# Allegro board NewTMR-March-2-2026 - Copy.brd
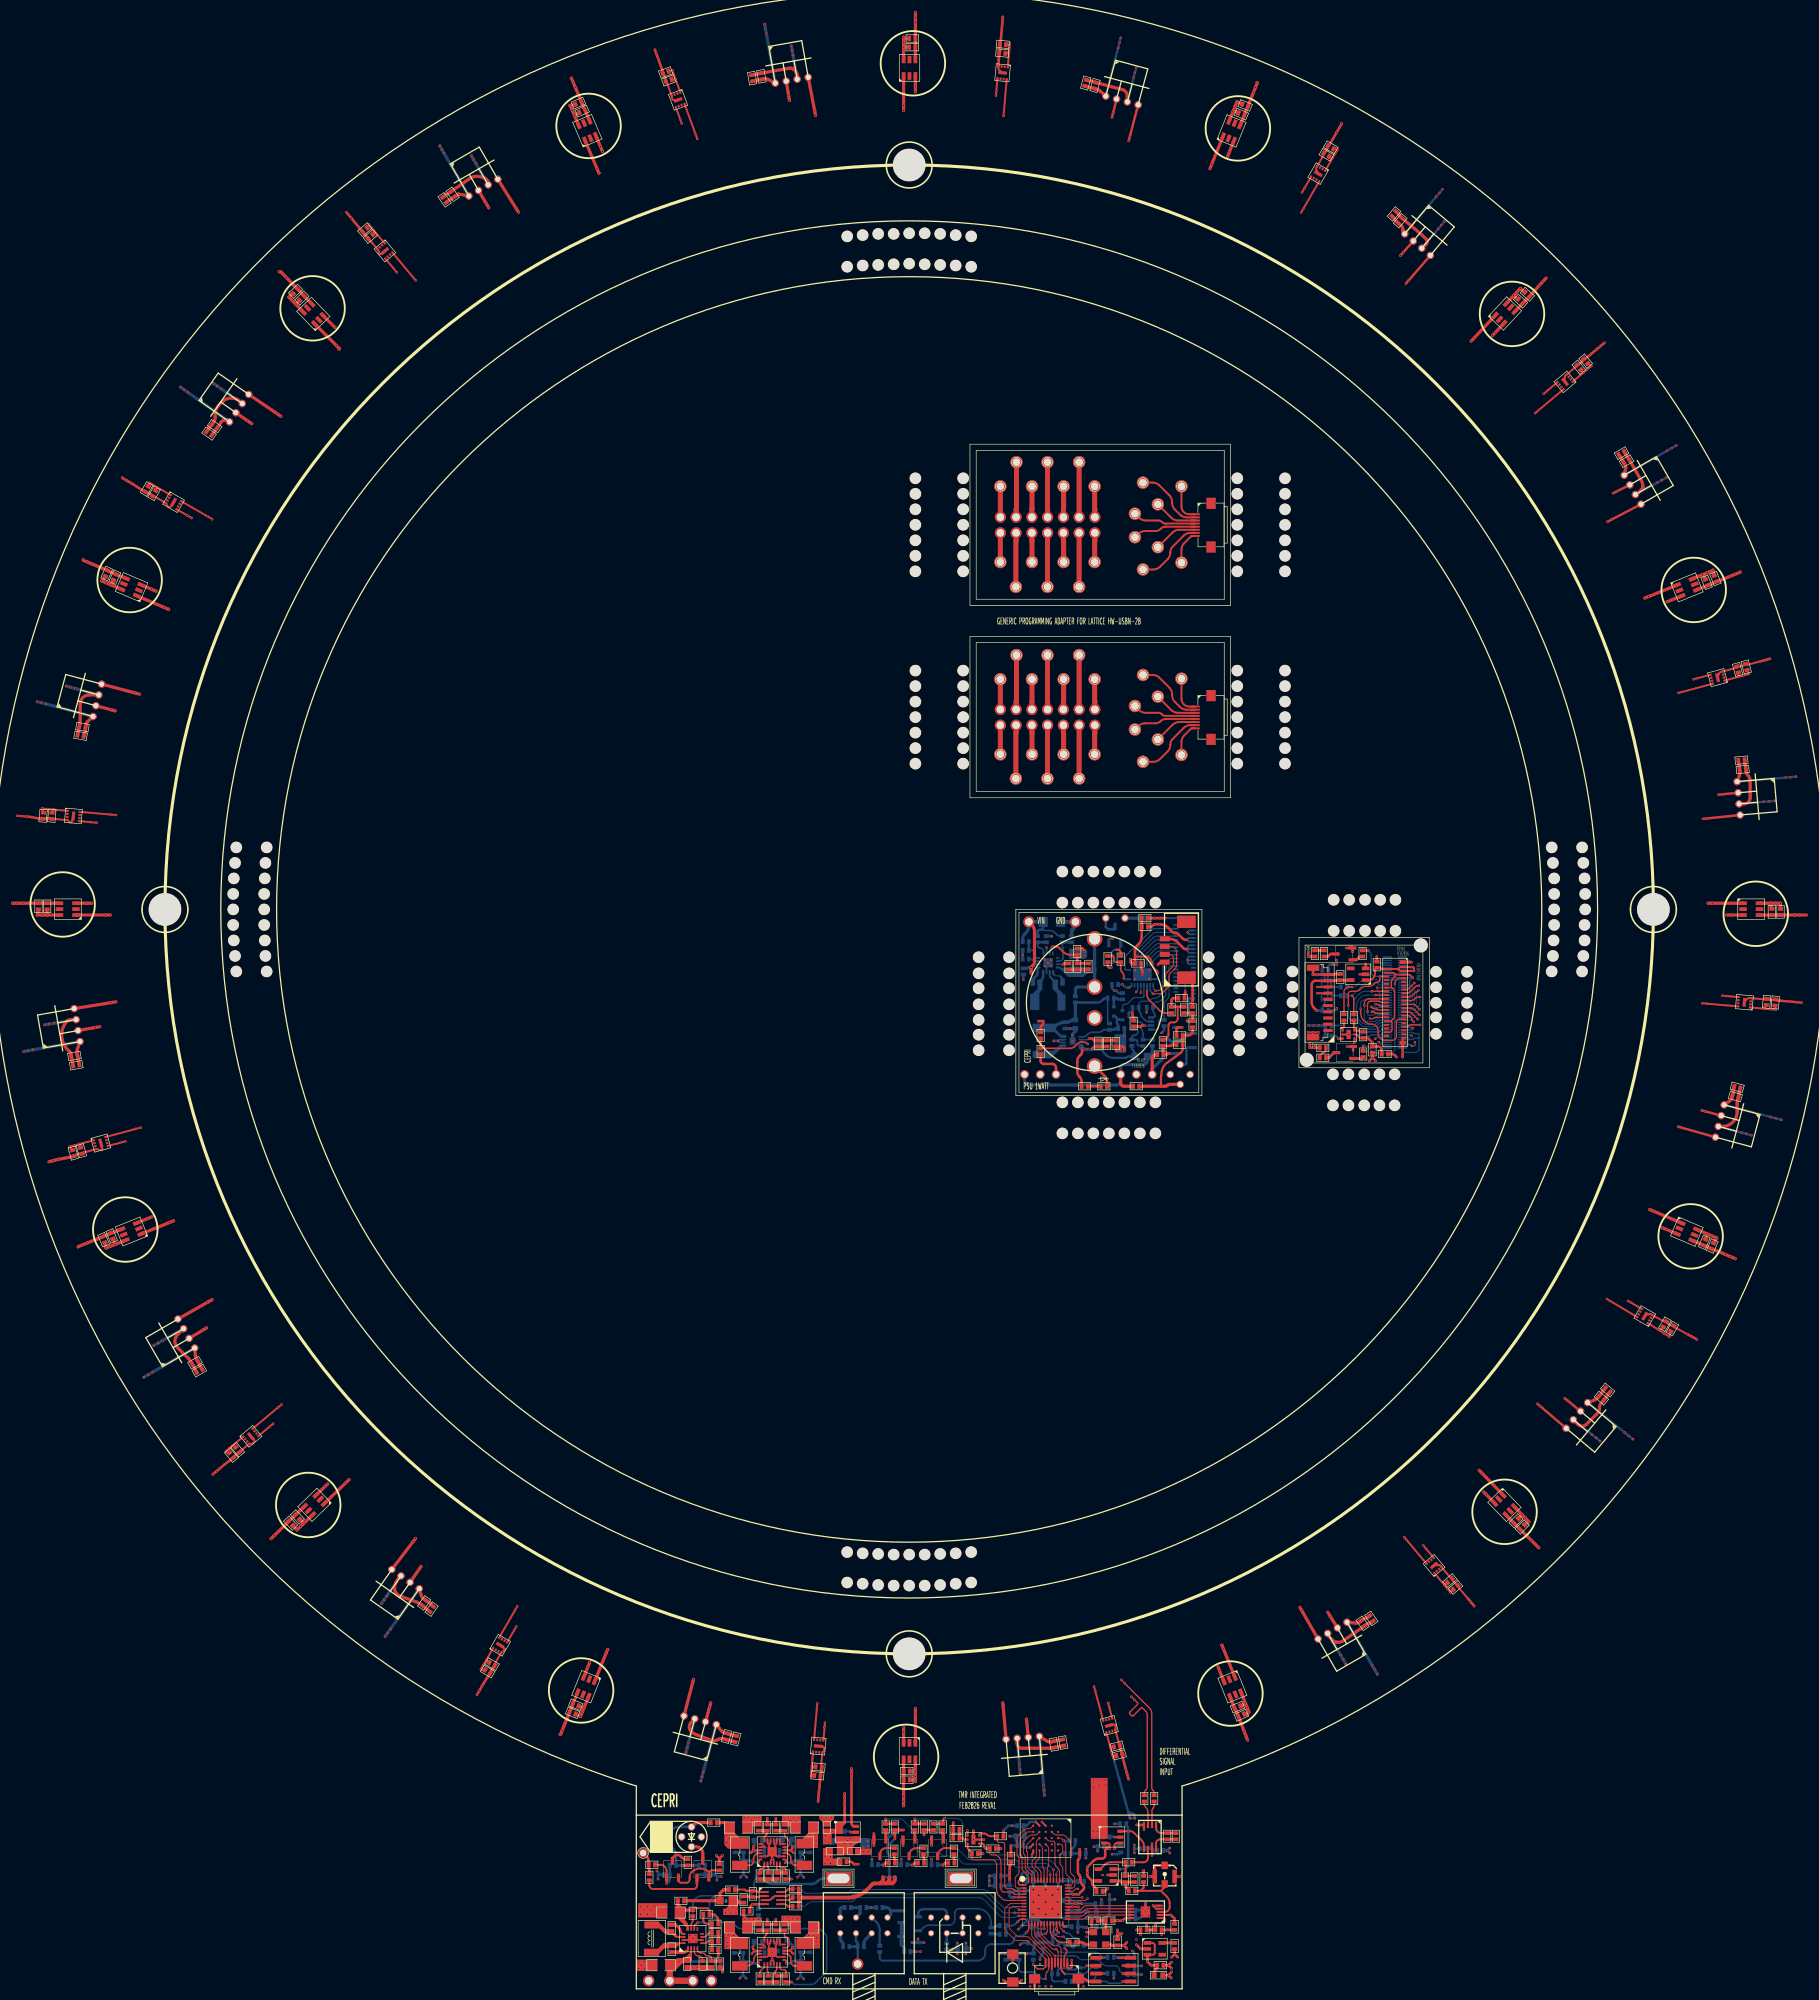
[diagram p0: board, top side]
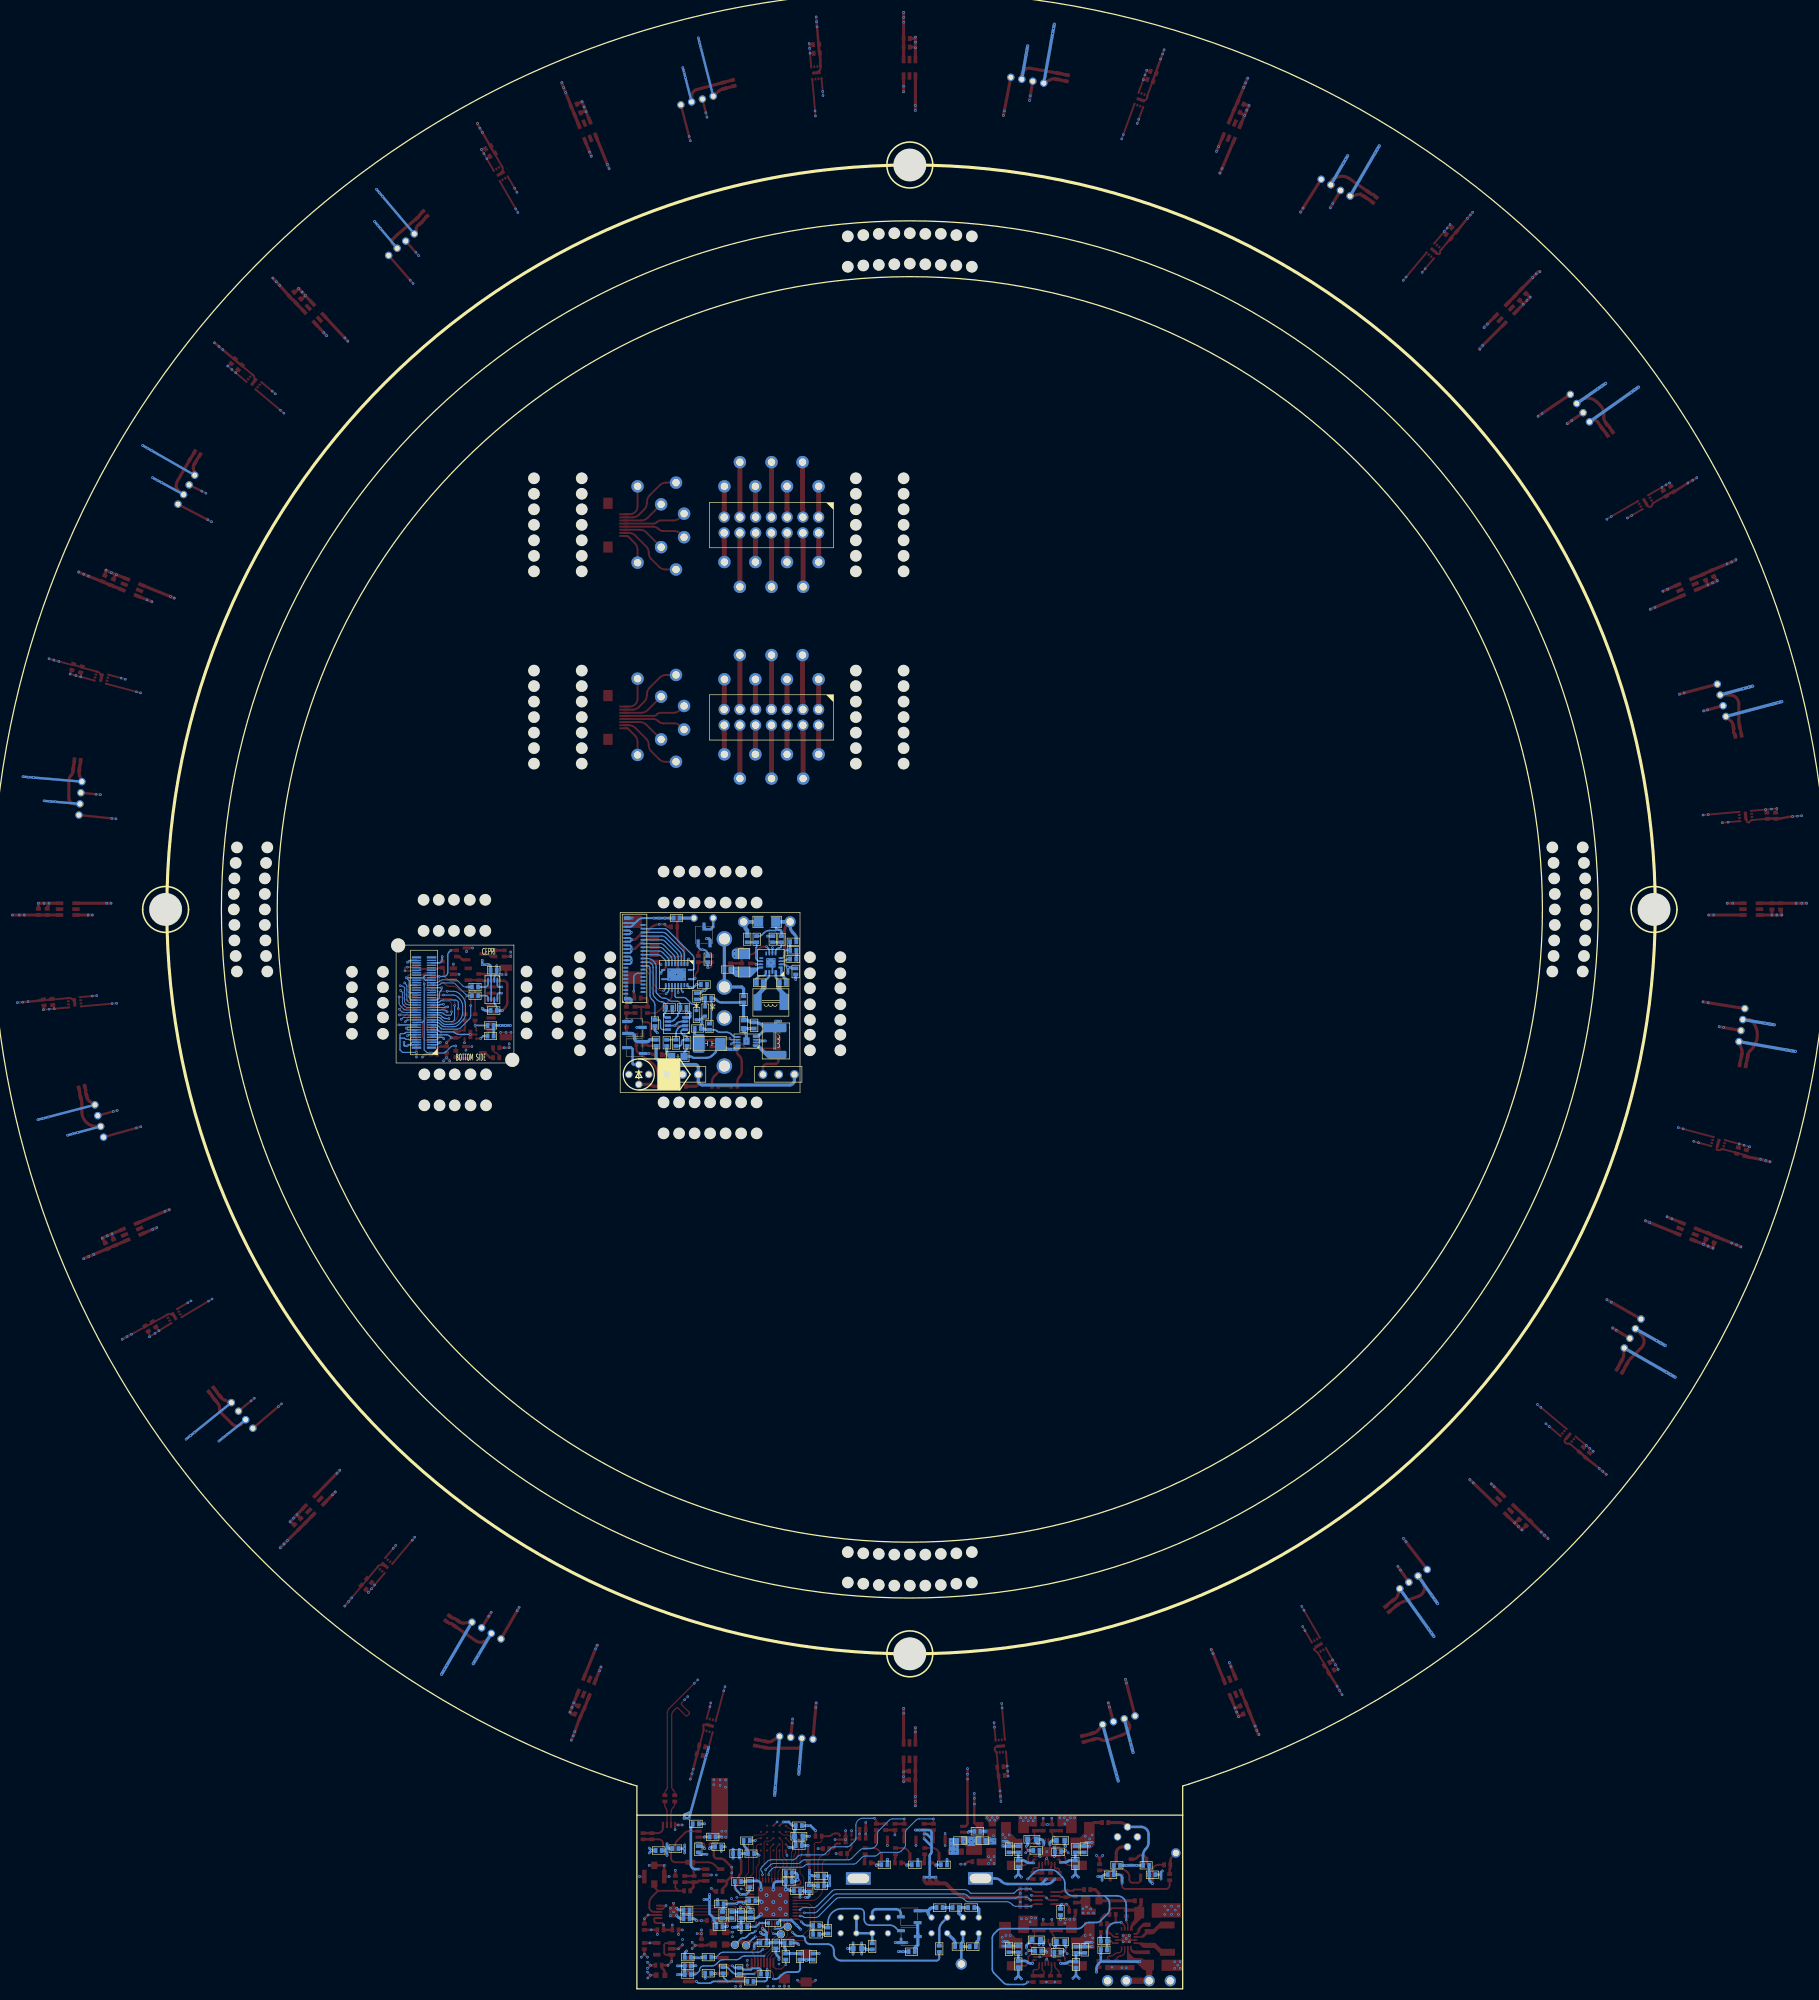
[diagram p1: board, bottom side, seen from below]

No outline. copper layers: TOP, GND, VCC, BOTTOM. Coordinates in mm from the lowest, leftmost part position.

## Design rules (mm)
constraint set DEFAULT: min track width 0.127
net group CMD_RXD: nets CMD_RXD N3566834
net group DATA_TXD: nets DATA_TXD N3567309
net group EXT_12MHZ: nets EXT_12MHZ N3452915
net group IR_UART_RX: nets IR_UART_RX N3267747
net group IR_UART_TX: nets IR_UART_TX N3267743
net group N3503239: nets N3503239 N3503246
net group N3576651: nets N3576651 N3576675
net group P1V2: nets N3114235 N3114319
net group P2V8: nets N3116255 N3116339
net group AUTO_EN: nets AUTO_EN N3499160 N3499168 N3499358 N3499470
net group EN_ME1: nets EN_ME1 EN_ME2 N3114271 N3114529 N3114667 N3116291 N3116549 N3116687 N3123371 N3124274 N3124471 P5V0 PGOOD SYNC-1 SYNC-2
net group MG1: nets RAM_ADQ7
net group N3119450: nets N3119450 N3119456 N3119520 N3119553
net group N3495194: nets N3495194 N3495202 N3495214 N3495226
net group P3V3: nets N3116659 N3116719 N3144574 N3144682 N3144686 N3144698 N3153529 N3466785 UPLD_TXD1
net group P3V3_CAM: nets N3510191
net group P3V3_IO1: nets N3515615 N3652906 P3V3_IO1
net group P3V3_IO6: nets N3509536 N3509654 N3509658 N3509670 N3512300 P3V3_IO6 P5V0_TO_CAMERA_BRD TXD1_1V8
net group P5V0_PSU: nets N3499478
net group PGOOD_3495658: nets N3495436 N3495610 PGOOD_3495658
net group VIN: nets N3119651 N3122265 N3127570 VIN
net group VIN_3495290: nets N3495602 N3495638 N3495642 VIN_3495290

## Placement (name value [footprint] x y rotation side)
C1  0.1uF  [C0402_SMT]  140.4 313.2 0 top
C2  0.1uF  [C0402_SMT]  156 312.2 175 top
C3  10uF  [C0402_SMT]  140.4 311.8 0 top
C4  10uF  [C0402_SMT]  155.9 310.8 175 top
C5  10uF  [C0402_SMT]  101.6 307.9 200 top
C6  10uF  [C0402_SMT]  116.5 307.6 280 top
C7  0.1uF  [C0402_SMT]  115 307.3 280 top
C8  0.1uF  [C0402_SMT]  102.1 306.6 200 top
C9  0.1uF  [C0402_SMT]  169 306.5 255 top
C10  10uF  [C0402_SMT]  170.5 306.1 255 top
C11  10uF  [C0402_SMT]  86.6 302.6 23 top
C12  0.1uF  [C0402_SMT]  194.1 302.6 338 top
C13  0.1uF  [C0402_SMT]  87.2 301.3 24 top
C14  10uF  [C0402_SMT]  193.5 301.2 337 top
C15  0.1uF  [C0402_SMT]  208.8 295.4 150 top
C16  10uF  [C0402_SMT]  208.1 294.2 150 top
C17  0.1uF  [C0402_SMT]  66.5 288.5 305 top
C18  10uF  [C0402_SMT]  65.2 287.6 305 top
C19  10uF  [C0402_SMT]  218.9 285.3 230 top
C20  0.1uF  [C0402_SMT]  219.9 284.2 230 top
C21  0.1uF  [C0402_SMT]  53 282.7 220 top
C22  10uF  [C0402_SMT]  53.9 281.6 220 top
C23  10uF  [C0402_SMT]  41.1 272.1 44 top
C24  10uF  [C0402_SMT]  239.7 272.3 318 top
C25  0.1uF  [C0402_SMT]  42.1 271 44 top
C26  0.1uF  [C0402_SMT]  238.6 271.2 318 top
C27  10uF  [C0402_SMT]  249.8 260.8 130 top
C28  0.1uF  [C0402_SMT]  248.7 259.8 130 top
C29  0.1uF  [C0402_SMT]  28 251 325 top
C30  10uF  [C0402_SMT]  27.1 249.8 325 top
C31  10uF  [C0402_SMT]  255.7 246.6 210 top
C32  0.1uF  [C0402_SMT]  256.5 245.3 210 top
C33  10uF  [C0402_SMT]  17.7 241 240 top
C34  0.1uF  [C0402_SMT]  18.9 240.3 240 top
C35  10uF  [C0402_SMT]  10.8 226.5 66 top
C36  0.1uF  [C0402_SMT]  12.1 225.9 66 top
C37  10uF  [C0402_SMT]  270.2 226.6 292 top
C38  0.1uF  [C0402_SMT]  268.8 226 291 top
C39  10uF  [C0402_SMT]  275.5 211.4 105 top
C40  0.1uF  [C0402_SMT]  274.1 211 105 top
C41  0.1uF  [C0402_SMT]  6.6 202.3 350 top
C42  10uF  [C0402_SMT]  6.3 200.9 350 top
C43  10uF  [C0402_SMT]  275.1 196.9 185 top
C44  0.1uF  [C0402_SMT]  275.3 195.4 185 top
C45  0.1uF  [C0402_SMT]  0.8 188.4 265 top
C46  10uF  [C0402_SMT]  2.2 188.4 265 top
C47  10uF  [C0402_SMT]  0 172.8 90 top
C48  0.1uF  [C0402_SMT]  1.4 172.8 90 top
C49  0.1uF  [C0402_SMT]  279.5 172.9 270 top
C50  10uF  [C0402_SMT]  280.9 172.9 270 top
C51  0.1uF  [C0402_SMT]  278.6 157.4 85 top
C52  10uF  [C0402_SMT]  280 157.3 85 top
C53  0.1uF  [C0402_SMT]  5.3 149.1 10 top
C54  10uF  [C0402_SMT]  5.6 147.6 10 top
C55  10uF  [C0402_SMT]  274.4 144 165 top
C56  0.1uF  [C0402_SMT]  274.1 142.5 165 top
C57  10uF  [C0402_SMT]  6.8 134.4 285 top
C58  0.1uF  [C0402_SMT]  5.5 134 285 top
C59  0.1uF  [C0402_SMT]  12 119.7 112 top
C60  10uF  [C0402_SMT]  10.7 119.1 113 top
C61  0.1uF  [C0402_SMT]  268.8 119.6 247 top
C62  10uF  [C0402_SMT]  270.1 119 247 top
C63  10uF  [C0402_SMT]  262 105.5 60 top
C64  0.1uF  [C0402_SMT]  263.2 104.8 60 top
C65  0.1uF  [C0402_SMT]  24.8 99.5 30 top
C66  10uF  [C0402_SMT]  25.5 98.2 30 top
C67  10uF  [C0402_SMT]  253.4 95 140 top
C68  0.1uF  [C0402_SMT]  252.4 93.7 140 top
C69  10uF  [C0402_SMT]  31.8 86.1 310 top
C70  0.1uF  [C0402_SMT]  30.8 85.2 310 top
C71  10uF  [C0402_SMT]  42.1 74.5 133 top
C72  0.1uF  [C0402_SMT]  238.6 74.6 225 top
C73  0.1uF  [C0402_SMT]  41 73.5 134 top
C74  10uF  [C0402_SMT]  239.6 73.6 225 top
C75  0.1uF  [C0402_SMT]  227.2 64.3 40 top
C76  10uF  [C0402_SMT]  228.1 63.2 40 top
C77  0.1uF  [C0402_SMT]  61.9 60.6 55 top
C78  10uF  [C0402_SMT]  63.1 59.6 55 top
C79  10uF  [C0402_SMT]  215.2 58.1 125 top
C80  0.1uF  [C0402_SMT]  213.8 57.3 125 top
C81  0.1uF  [C0402_SMT]  72.7 51.4 330 top
C82  10uF  [C0402_SMT]  72 50.2 330 top
C83  0.1uF  [C0402_SMT]  87.1 44.4 158 top
C84  0.1uF  [C0402_SMT]  193.8 44.4 202 top
C85  10uF  [C0402_SMT]  86.6 43.1 158 top
C86  10uF  [C0402_SMT]  194.4 43.1 204 top
C87  0.1uF  [C0402_SMT]  110.8 39 75 top
C88  10uF  [C0402_SMT]  112.3 38.6 75 top
C89  10uF  [C0402_SMT]  165.3 38 100 top
C90  0.1uF  [C0402_SMT]  163.8 37.7 100 top
C91  10uF  [C0402_SMT]  173.4 37.8 15 top
C92  0.1uF  [C0402_SMT]  173.8 36.4 15 top
C93  10uF  [C0402_SMT]  125.3 34.6 355 top
C94  0.1uF  [C0402_SMT]  140.5 33.9 180 top
C95  0.1uF  [C0402_SMT]  125.1 33.2 355 top
C96  10uF  [C0402_SMT]  140.5 32.5 180 top
C97  33uF  [C1206_SMT]  111.3 24 0 top
C98  33uF  [C1206_SMT]  125.1 25.6 180 top
C99  1uF  [C0402_SMT]  116.1 25.31 270 top
C100  10uF  [C0402_SMT]  148.5 24.5 180 top
C101  0.1uF  [C0402_SMT]  148.5 23.1 180 top
C102  10uF  [C0402_SMT]  132 21 180 top
C103  10uF  [C0402_SMT]  156.8 19.3 90 top
C104  10uF  [C0402_SMT]  129.3 19.3 0 top
C105  DNI  [C0402_SMT]  176.7 17 270 top
C106  1nF  [C0402_SMT]  178.2 17 270 top
C107  0.1uF  [C0402_SMT]  170.6 14.5 0 top
C108  0.1uF  [C0402_SMT]  115.2 13.6 90 top
C109  0.1uF  [C0402_SMT]  113.7 11.3 0 top
C110  47uF  [C1206_SMT]  100.4 10.3 0 top
C111  33pF  [C0402_SMT]  107.2 10.8 0 top
C112  0.1uF  [C0402_SMT]  183.2 9.3 270 top
C113  1uF  [C0402_SMT]  116.1 9.22 270 top
C114  47uF  [C1206_SMT]  111.3 7.9 0 top
C115  47uF  [C1206_SMT]  125.1 9.5 180 top
C116  22nF  [C0402_SMT]  102.1 8.1 90 top
C117  0.1uF  [C0402_SMT]  177.7 8.3 0 top
C118  10uF  [C0402_SMT]  181.1 8.3 180 top
C119  0.1uF  [C0402_SMT]  174 5.8 90 top
C120  10uF  [C0402_SMT]  183.2 5.2 90 top
C121  22nF  [C0402_SMT]  102.1 4.7 90 top
C122  0.1uF  [C0402_SMT]  104.6 3.32 270 top
C123  2.2uF  [C0402_SMT]  107.1 2.3 90 top
C124  47uF  [C1206_SMT]  102 3.4 180 top
C125  10uF  [C0402_SMT]  181.4 2.6 180 top
C126  22uF  [C0603_SMT]  181.3 1 180 top
C127  10uF  [C0402_SMT]  175.4 25.4 180 bottom
C128  DNI  [C0402_SMT]  130 24.2 180 bottom
C129  10uF  [C0603_SMT]  159 23.4 180 bottom
C130  DNI  [C0402_SMT]  172.7 23.3 180 bottom
C131  22uF  [C0603_SMT]  120 22.9 0 bottom
C132  0.1uF  [C0402_SMT]  131.8 22.7 0 bottom
C133  10uF  [C0402_SMT]  129.2 22.7 180 bottom
C134  22uF  [C0603_SMT]  116.8 22.7 180 bottom
C135  0.1uF  [C0402_SMT]  158.8 21.9 180 bottom
C136  0.1uF  [C0402_SMT]  171.8 21.7 180 bottom
C137  10uF  [C0402_SMT]  177.7 21.4 0 bottom
C138  20pF  [C0402_SMT]  124.4 20.8 90 bottom
C139  16pF  [C0402_SMT]  112.3 20.8 90 bottom
C140  10uF  [C0402_SMT]  174.5 21.8 270 bottom
C141  0.1uF  [C0402_SMT]  181.4 21.1 180 bottom
C142  0.1uF  [C0402_SMT]  119.5 21.1 0 bottom
C143  0.1uF  [C0402_SMT]  117 20.9 180 bottom
C144  0.1uF  [C0402_SMT]  167.9 20.6 0 bottom
C145  10uF  [C0402_SMT]  145 18.8 180 bottom
C146  10uF  [C0402_SMT]  140.1 18.8 180 bottom
C147  10uF  [C0402_SMT]  135.4 18.8 180 bottom
C148  10uF  [C0402_SMT]  159.4 17.5 0 bottom
C149  10uF  [C0402_SMT]  155.2 17 180 bottom
C150  10nF  [C0402_SMT]  168.6 16.1 180 bottom
C151  0.1uF  [C0402_SMT]  159.4 16.1 0 bottom
C152  10uF  [C0402_SMT]  166.2 15.2 90 bottom
C153  10uF  [C0402_SMT]  155.2 15.4 180 bottom
C154  0.1uF  [C0402_SMT]  158.1 14.6 0 bottom
C155  0.1uF  [C0402_SMT]  166.3 13 180 bottom
C156  10uF  [C0402_SMT]  170.4 12.5 0 bottom
C157  10uF  [C0402_SMT]  136.1 11.9 180 bottom
C158  0.1uF  [C0402_SMT]  176.9 11.5 180 bottom
C159  10uF  [C0402_SMT]  116.1 11.7 270 bottom
C160  10uF  [C0402_SMT]  167.6 11.2 270 bottom
C161  0.1uF  [C0402_SMT]  166.1 11.2 270 bottom
C162  0.1uF  [C0402_SMT]  130 11.9 0 bottom
C163  10uF  [C0402_SMT]  175.9 10.1 0 bottom
C164  10uF  [C0402_SMT]  171.6 8.8 180 bottom
C165  0.1uF  [C0402_SMT]  166.6 8.8 0 bottom
C166  12pF  [C0402_SMT]  156 7.6 180 bottom
C167  22uF  [C0603_SMT]  119.3 6.7 0 bottom
C168  22uF  [C0603_SMT]  116.8 6.4 180 bottom
C169  10uF  [C0402_SMT]  163.5 6.2 0 bottom
C170  10uF  [C0402_SMT]  160.6 6.2 180 bottom
C171  0.1uF  [C0402_SMT]  162 6.3 270 bottom
C172  100pF  [C0402_SMT]  124.4 4.7 90 bottom
C173  39pF  [C0402_SMT]  112.2 4.6 90 bottom
C174  0.1uF  [C0402_SMT]  119.2 4.9 0 bottom
C175  0.1uF  [C0402_SMT]  117.1 4.7 180 bottom
C176  0.47uF  [C0402_SMT]  156 4.5 270 bottom
C177  0.1uF  [C0402_SMT]  175.69 3.9 0 bottom
C178  0.1uF  [C0402_SMT]  129.75 5.61 0 bottom
C179  22uF  [C0603_SMT]  148.15 5.3 0 bottom
C180  0.1uF  [C0402_SMT]  158.8 163.3 270 bottom
C181  22nF  [C0402_SMT]  160.4 161 0 bottom
C182  22nF  [C0402_SMT]  164.1 161 0 bottom
C183  47uF  [C1206_SMT]  161.8 171.6 0 bottom
C184  47uF  [C1206_SMT]  167.9 165.8 270 bottom
C185  33pF  [C0402_SMT]  169.3 164.1 270 top
C186  0.1uF  [C0402_SMT]  165.5 153.6 90 bottom
C187  10uF  [C0603_SMT]  167.2 155 270 bottom
C188  CEN5R5205HF-ZG  [SUC_C_5D0_21D5_H_20D5]  170.3 157.8 270 top
C189  33pF  [C0402_SMT]  170.9 150.7 90 top
C190  47uF  [C1206]  171 151.2 0 bottom
C191  0.1uF  [C0402_SMT]  178.1 151.8 270 bottom
C192  2.2uF  [C0402_SMT]  158.7 164.8 0 bottom
C193  0.1uF  [C0402_SMT]  176.6 153.9 90 top
C194  0.1uF  [C0402_SMT]  172.4 165.3 270 top
C195  0.1uF  [C0402_SMT]  174.1 160.7 180 bottom
C196  0.1uF  [C0402_SMT]  176.8 164.1 0 top
C197  10uF  [C0402_SMT]  215.1 150.7 270 top
C198  0.1uF  [C0402_SMT]  216.6 149.5 0 top
C199  10uF  [C0402_SMT]  209.9 161.4 90 top
C200  10uF  [C0402_SMT]  215.8 163.4 90 top
C201  0.1uF  [C0402_SMT]  208 163 180 bottom
C202  0.1uF  [C0402_SMT]  207 156.5 0 bottom
D1  GREEN LED  [LED0402_SMT]  138.1 19.1 180 top
D2  GREEN LED  [LED0402_SMT]  142.8 19.1 180 top
D3  GREEN LED  [LED0402_SMT]  147.7 19.1 180 top
D4  -  [AFBR-2418TZ]  136.9 10.3 270 top
D5  -  [HFBR-1414TZ-TX]  151.55 10.3 270 top
D6  1N5819WT  [SOD-523]  163.2 9.4 180 bottom
D7  GREEN LED  [LED0402_SMT]  172.3 144.3 180 top
D8  1N5819WT  [SOD-523]  173.4 155.6 90 bottom
D9  1N5819WT  [SOD-523]  174.8 155 90 bottom
D10  LED  [LED0402_SMT]  207.6 150.5 180 top
D11  LED  [LED0402_SMT]  205.8 166.21 270 top
FB1  BLM15PX121SN1D  [L0402_SMT]  156.6 14.5 90 bottom
FB2  BLM15PX121SN1D  [L0402_SMT]  170.6 11.2 270 bottom
J1  HC-RF-IPEX0303-01  [IPEX_SMD_4P]  181.6 16.9 0 top
J2  CONN-1X8  [FPC-0D5-8P]  165.9 3 180 top
J3  Hirose FH35C-39S-0.3SHW  [FH35C-39S-0D3SHW_REV]  186.2 164.9 270 bottom
J4  CONN-1X3P  [CONN-1X3P-2D54]  159 146.2 0 bottom
J5  CONN-1X3P  [CONN-1X3P-2D54]  174.5 146.2 0 bottom
J6  HC-1.25-4PWT  [SMD-1D25-4P-DEG0]  181.6 164.3 90 top
J7  HEADER_2X7P  [HEADER_2X7P_2D54]  155.1 202.5 0 bottom
J8  CONN-1X8  [FPC-0D5-8P]  186.5 205.5 270 top
J9  HEADER_2X7P  [HEADER_2X7P_2D54]  155.1 233.5 0 bottom
J10  CONN-1X8  [FPC-0D5-8P]  186.5 236.5 270 top
J11  DF40C-70DP-0.4V(51)  [DF40C-70DP-0D4V-51]  219.94 150.99 90 bottom
J12  Hirose FH35C-39S-0.3SHW  [FH35C-39S-0D3SHW]  220.16 157.8 90 top
J13  ZX-SH1.0-10PLT  [CONN_1X10P_SH1D0]  207.92 153.3 90 top
L1  4.7uH  [L0603_SMT]  127.6 21 0 top
L2  1uH/1A  [L1210]  113.1 18.7 90 top
L3  1uH/1A  [L1210]  123.5 18.7 90 top
L4  4.7uH/1A  [IND_SMD_4D4X4D2]  98.9 4.7 90 top
L5  1uH/1A  [L1210]  113.1 2.5 90 top
L6  1uH/1A  [L1210]  123.5 2.5 90 top
L7  2.2uH  [L0402]  158.8 25.1 180 bottom
L8  1uH/30mA  [L0402_SMT]  133.5 11.9 180 bottom
L9  4.7uH/1A  [IND_SMD_4D4X4D2]  160.6 157.8 0 bottom
L10  4.7uH/200mA  [IND_SMD_4D4X4D2]  162 153.8 270 bottom
LD1  LaserDiode  [LD_CIR_THR_4P]  105.3 23.3 90 top
LD2  LaserDiode  [LD_CIR_THR_4P]  184.1 146.2 270 bottom
NOREF  -  [unnamed]  141.4 242.3 0 top
NOREF#2  -  [unnamed]  175.1 136.7 0 top
NOREF#3  -  [unnamed]  135.4 281.7 0 top
NOREF#4  -  [unnamed]  201 239.8 0 top
NOREF#5  -  [unnamed]  201 234.8 0 top
NOREF#6  -  [unnamed]  201 201.3 0 top
NOREF#7  -  [unnamed]  141.4 211.3 0 top
NOREF#8  -  [unnamed]  244.3 167.8 0 top
NOREF#9  -  [unnamed]  193.6 157.5 0 top
NOREF#10  -  [unnamed]  201 242.3 0 top
NOREF#11  -  [unnamed]  167.6 173.9 0 top
NOREF#12  -  [unnamed]  193.3 211.3 0 top
NOREF#13  -  [unnamed]  149.1 232.3 0 top
NOREF#14  -  [unnamed]  156.5 150.1 0 top
NOREF#15  -  [unnamed]  172.6 173.9 0 top
NOREF#16  -  [unnamed]  249.4 175.3 0 top
NOREF#17  -  [unnamed]  36.6 180.3 0 top
NOREF#18  -  [unnamed]  141.4 196.3 0 top
NOREF#19  -  [unnamed]  193.3 239.8 0 top
NOREF#20  -  [unnamed]  149.1 196.3 0 top
NOREF#21  -  [unnamed]  180.1 141.7 0 top
NOREF#22  -  [unnamed]  202.2 162.8 0 top
NOREF#23  -  [unnamed]  150.4 281.3 0 top
NOREF#24  -  [unnamed]  145.4 68.9 0 top
NOREF#25  -  [unnamed]  149.1 203.8 0 top
NOREF#26  -  [unnamed]  132.9 69 0 top
NOREF#27  -  [unnamed]  149.1 234.8 0 top
NOREF#28  -  [unnamed]  218.8 174.35 0 top
NOREF#29  -  [unnamed]  145.4 63.9 0 top
NOREF#30  -  [unnamed]  151.6 155 0 top
NOREF#31  -  [unnamed#2]  260.4 172.8 0 top
NOREF#32  -  [unnamed#3]  222.9 167 0 top
NOREF#33  -  [unnamed]  193.6 165.1 0 top
NOREF#34  -  [unnamed]  147.9 276.6 0 top
NOREF#35  -  [unnamed]  142.9 281.8 0 top
NOREF#36  -  [unnamed]  156.5 160.1 0 top
NOREF#37  -  [unnamed]  172.6 136.7 0 top
NOREF#38  -  [unnamed]  177.6 173.9 0 top
NOREF#39  -  [unnamed]  244.2 165.3 0 top
NOREF#40  -  [unnamed]  208.85 169.35 0 top
NOREF#41  -  [unnamed]  177.6 141.7 0 top
NOREF#42  -  [unnamed]  141.4 201.3 0 top
NOREF#43  -  [unnamed]  193.3 232.3 0 top
NOREF#44  -  [unnamed]  135.4 63.9 0 top
NOREF#45  -  [unnamed]  130.4 281.3 0 top
NOREF#46  -  [unnamed]  165.1 141.7 0 top
NOREF#47  -  [unnamed]  141.4 208.8 0 top
NOREF#48  -  [unnamed]  36.5 177.8 0 top
NOREF#49  -  [unnamed]  211.35 174.35 0 top
NOREF#50  -  [unnamed]  167.6 141.7 0 top
NOREF#51  -  [unnamed]  201 237.3 0 top
NOREF#52  -  [unnamed]  31.4 172.8 0 top
NOREF#53  -  [unnamed]  201 196.3 0 top
NOREF#54  -  [unnamed]  208.73 146.22 0 top
NOREF#55  -  [unnamed]  141.4 227.3 0 top
NOREF#56  -  [unnamed]  141.4 203.8 0 top
NOREF#57  -  [unnamed]  149.1 201.3 0 top
NOREF#58  -  [unnamed]  249.3 170.3 0 top
NOREF#59  -  [unnamed]  177.6 136.7 0 top
NOREF#60  -  [unnamed]  137.9 63.8 0 top
NOREF#61  -  [unnamed]  172.6 141.7 0 top
NOREF#62  -  [unnamed]  188.7 155 0 top
NOREF#63  -  [unnamed]  213.78 141.22 0 top
NOREF#64  -  [unnamed]  225.35 157.75 0 top
NOREF#65  -  [unnamed]  211.23 141.22 0 top
NOREF#66  -  [unnamed]  244.2 180.3 0 top
NOREF#67  -  [unnamed]  193.6 150.1 0 top
NOREF#68  -  [unnamed]  193.3 234.8 0 top
NOREF#69  -  [unnamed]  137.9 68.8 0 top
NOREF#70  -  [unnamed]  201 198.8 0 top
NOREF#71  -  [unnamed]  230.35 152.75 0 top
NOREF#72  -  [unnamed]  31.5 167.8 0 top
NOREF#73  -  [unnamed]  150.4 276.4 0 top
NOREF#74  -  [unnamed]  197.2 162.8 0 top
NOREF#75  -  [unnamed]  156.5 162.5 0 top
NOREF#76  -  [unnamed]  197.2 157.8 0 top
NOREF#77  -  [unnamed]  156.5 155 0 top
NOREF#78  -  [unnamed]  31.7 165.3 0 top
NOREF#79  -  [unnamed]  172.6 178.9 0 top
NOREF#80  -  [unnamed]  140.4 68.8 0 top
NOREF#81  -  [unnamed]  216.23 146.22 0 top
NOREF#82  -  [unnamed]  170.1 136.7 0 top
NOREF#83  -  [unnamed]  177.6 178.9 0 top
NOREF#84  -  [unnamed]  36.8 182.8 0 top
NOREF#85  -  [unnamed]  141.4 229.8 0 top
NOREF#86  -  [unnamed]  36.6 165.3 0 top
NOREF#87  -  [unnamed]  208.73 141.22 0 top
NOREF#88  -  [unnamed]  193.3 196.3 0 top
NOREF#89  -  [unnamed]  156.5 152.6 0 top
NOREF#90  -  [unnamed]  132.9 64.1 0 top
NOREF#91  -  [unnamed]  151.6 150.1 0 top
NOREF#92  -  [unnamed]  167.6 178.9 0 top
NOREF#93  -  [unnamed]  193.3 208.8 0 top
NOREF#94  -  [unnamed]  213.9 174.35 0 top
NOREF#95  -  [unnamed]  130.4 276.4 0 top
NOREF#96  -  [unnamed]  31.4 170.3 0 top
NOREF#97  -  [unnamed]  167.6 136.7 0 top
NOREF#98  -  [unnamed]  225.35 162.75 0 top
NOREF#99  -  [unnamed]  244 182.8 0 top
NOREF#100  -  [unnamed]  31.9 162.8 0 top
NOREF#101  -  [unnamed#2]  20.4 172.8 0 top
NOREF#102  -  [unnamed]  218.8 169.35 0 top
NOREF#103  -  [unnamed]  151.6 162.5 0 top
NOREF#104  -  [unnamed]  31.4 175.3 0 top
NOREF#105  -  [unnamed]  230.35 160.25 0 top
NOREF#106  -  [unnamed]  216.35 169.35 0 top
NOREF#107  -  [unnamed]  140.4 276.9 0 top
NOREF#108  -  [unnamed]  201 227.3 0 top
NOREF#109  -  [unnamed]  188.7 157.5 0 top
NOREF#110  -  [unnamed]  31.5 177.8 0 top
NOREF#111  -  [unnamed]  193.3 237.3 0 top
NOREF#112  -  [unnamed]  193.3 198.8 0 top
NOREF#113  -  [unnamed]  31.9 182.8 0 top
NOREF#114  -  [unnamed]  249.3 167.8 0 top
NOREF#115  -  [unnamed]  135.4 276.7 0 top
NOREF#116  -  [unnamed]  141.4 239.8 0 top
NOREF#117  -  [unnamed]  151.6 157.5 0 top
NOREF#118  -  [unnamed]  141.4 198.8 0 top
NOREF#119  -  [unnamed]  140.4 281.8 0 top
NOREF#120  -  [unnamed]  36.4 175.3 0 top
NOREF#121  -  [unnamed]  142.9 63.8 0 top
NOREF#122  -  [unnamed]  180.1 178.9 0 top
NOREF#123  -  [unnamed]  249.4 172.8 0 top
NOREF#124  -  [unnamed]  225.35 155.4 0 top
NOREF#125  -  [unnamed]  249.1 180.3 0 top
NOREF#126  -  [unnamed]  249.1 165.3 0 top
NOREF#127  -  [unnamed]  142.9 68.8 0 top
NOREF#128  -  [unnamed]  202.2 160.3 0 top
NOREF#129  -  [unnamed]  141.4 232.3 0 top
NOREF#130  -  [unnamed]  150.4 64.3 0 top
NOREF#131  -  [unnamed]  230.35 157.75 0 top
NOREF#132  -  [unnamed]  193.6 162.5 0 top
NOREF#133  -  [unnamed]  141.4 206.3 0 top
NOREF#134  -  [unnamed]  193.6 155 0 top
NOREF#135  -  [unnamed]  244.4 175.3 0 top
NOREF#136  -  [unnamed]  170.1 173.9 0 top
NOREF#137  -  [unnamed]  201 232.3 0 top
NOREF#138  -  [unnamed]  165.1 173.9 0 top
NOREF#139  -  [unnamed]  130.4 64.3 0 top
NOREF#140  -  [unnamed]  201 203.8 0 top
NOREF#141  -  [unnamed]  147.9 69 0 top
NOREF#142  -  [unnamed]  225.35 152.75 0 top
NOREF#143  -  [unnamed]  193.6 152.6 0 top
NOREF#144  -  [unnamed]  140.4 63.8 0 top